# KiCad board mainboard_before_drastic.kicad_pcb (continued)
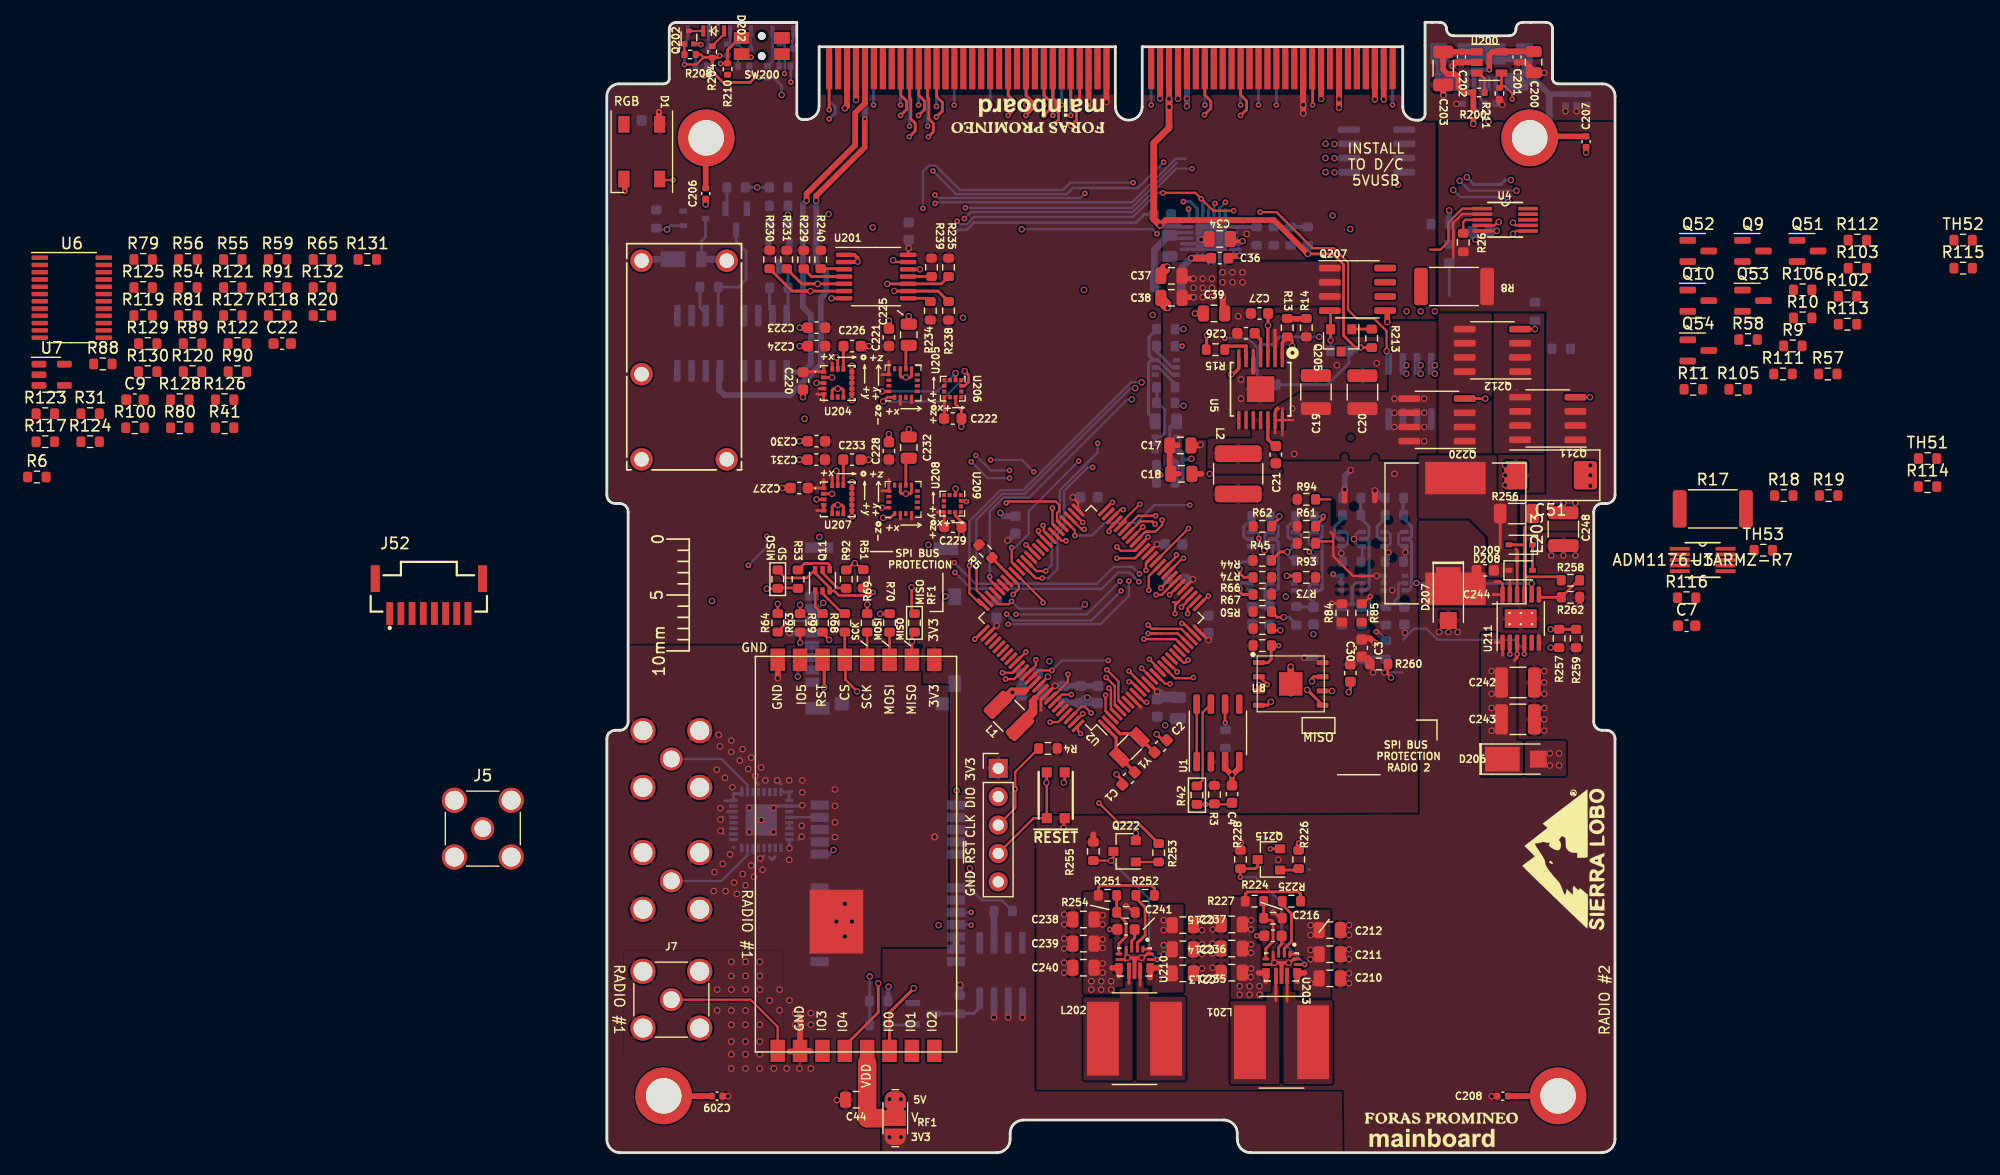
[diagram p0: board, top side]
## Library data of the parts
D1 = -: Description: RGB LED "Neopixel"; Flight: WS2812B-B; Manufacturer_Name: Worldsemi; Manufacturer_Part_Number: WS2812B-B; Proto: WS2812B-B; Field8: 1
D4 = -: Description: Schottky Diode - 30V 1A; Flight: DFLS130L-7; Manufacturer_Name: Diodes Incorporated; Manufacturer_Part_Number: DFLS130L-7
J1 = -: Description: Molex microSD Card Socket; Flight: 5031821852; Manufacturer_Name: Molex; Manufacturer_Part_Number: 5031821852; Proto: 5031821852
J2 JP6 = -: Description: Vertical Header - 0.1in (2.54mm); DNI: DNI
J5 J5#2 J6 = -: Description: Amphenol RF SMA; DNI: DNI; Flight: 901-144; Manufacturer_Name: Amphenol; Manufacturer_Part_Number: 901-144; Proto: 901-144
J7 = -: Description: Amphenol RF SMA; Flight: 901-144; Manufacturer_Name: Amphenol; Manufacturer_Part_Number: 901-144; Proto: 901-144
L2 = -: Description: 3.3uH Shielded Inductor; Flight: SPM5030T-3R3M-HZ; Manufacturer_Name: TAI-TECH; Manufacturer_Part_Number: HPC5040NF-3R3MTH; Proto: HPC5040NF-3R3MTH
L4 = -: Description: 1uH Shielded Inductor; Flight: DFE252012F-1R0M; Manufacturer_Name: Prosperity Dielectrics; Manufacturer_Part_Number: MCS25GD-1R0MMP; Proto: MCS25GD-1R0MMP
Q1 = -: Field8: REF**
Q2 = -: Description: Dual NPN BJT - 2NPN; Manufacturer_Name: ON Semiconductor; Manufacturer_Part_Number: MBT2222ADW1T1G; Proto: MBT2222ADW1T1G
Q4 Q5 = -: Description: Single N-Channel MOSFET
Q6 = -: Description: Single NPN BJT
Q8 = -: Description: Dual NPN BJT - 2NPN; Flight: MBT2222ADW1T1G; Manufacturer_Name: ON Semiconductor; Manufacturer_Part_Number: MBT2222ADW1T1G; Proto: MBT2222ADW1T1G
Q11 = -: Description: Dual PNP BJT - 2PNP; Manufacturer_Name: Diodes Incorporated; Proto: MMDT2907A
Q12 Q13 Q18 Q19 = -: Description: Dual N-Channel MOSFET - 2NMOS; Manufacturer_Name: Diodes Incorporated
Q20-Q22 = -: Description: P-Channel MOSFET
R97 R98 R101 R104 R108 R109 = -: DNI: DNI
SW1 = -: Description: Tactile Switch SPST-NO; Manufacturer_Name: C&K
U1 = -: Description: Watch-dog Timer; Manufacturer_Name: Maxim Integrated
U2 = -: MANUFACTURER: Microchip; STANDARD: IPC-7351B
U3 U4 = -: Description: Power Monitor; Manufacturer_Name: Analog Devices Inc.
U5 = -: Description: 3.3V Switching Regulator; Flight: TPS54226PWPR; Manufacturer_Name: Texas Instruments; Manufacturer_Part_Number: TPS54226PWPR; Proto: TPS54226PWPR; Field8: >Name
U8 = -: Description: Non-Volatile Memory; Manufacturer_Name: Everspin Technologies Inc.; Manufacturer_Part_Number: W25Q80DVSNIG; Proto: W25Q80DVSNIG
U13 = -: Description: RF Splitter DC-Pass; DNI: DNI; Manufacturer_Name: Mini Circuits
U14 = -: DNI: DNI; Field5: >Name
U16 = -: Description: 5A 6V SPDT General Purpose Relay; Flight: PE014006 TE; Manufacturer_Name: TE Connectivity; Manufacturer_Part_Number: PE014006 TE; Proto: TE Connectivity; Field8: REF**; Field9: *
U17 = -: Description: Battery Charger - USB Power Delivery; Manufacturer_Name: Texas Instruments
U23 = -: Description: 433 MHz 1W Radio; Manufacturer_Name: HopeRF; Field8: RADIO 2
Y1 = -: Description: 32.768kHz Crystal Oscillator; Flight: ABS07-32.768KHZ-T; Manufacturer_Name: Abracon LLC; Manufacturer_Part_Number: SC-32S32.768kHz20PPM7pF; Proto: SC-32S32.768kHz20PPM7pF

## Footprints (pads in the part's own frame, mm; a bottom-side part is the same pattern mirrored in y, then rotated)
125mil_hole
  round 5.08 hole 3.175: 1(0,0)
ADM1176-1ARMZ-R7
  rect 1.778x0.33 smd: 1(-2.045,1) 2(-2.045,0.5) 3(-2.045,0) 4(-2.045,-0.5) 5(-2.045,-1) 6(2.045,-1) 7(2.045,-0.5) 8(2.045,0) 9(2.045,0.5) 10(2.045,1)
APA2107x
  rect 1x0.37 smd: 1(0,-0.93) 2(0,0.93)
BSS138DWQ-7
  rect 0.6x0.4 smd: 1(-0.95,0.65) 2(-0.95,0) 3(-0.95,-0.65) 4(0.95,-0.65) 5(0.95,0) 6(0.95,0.65)
BTN_KMR2_4.6X2.8
  rect 0.9x0.9 smd: A(2.05,0.8) A'(-2.05,0.8) B(2.05,-0.8) B'(-2.05,-0.8)
C_0402_1005Metric
  rrect 0.56x0.62 smd: 1(-0.48,0) 2(0.48,0)
C_0603_1608Metric
  rrect 0.9x0.95 smd: 1(-0.775,0) 2(0.775,0)
C_0805_2012Metric
  rrect 1x1.45 smd: 1(-0.95,0) 2(0.95,0)
C_1206_3216Metric
  rrect 1.15x1.8 smd: 1(-1.475,0) 2(1.475,0)
C_1210_3225Metric
  rrect 1.15x2.7 smd: 1(-1.475,0) 2(1.475,0)
CP_EIA-7343-43_Kemet-X
  rrect 2.075x2.55 smd: 1(-3.112,0) 2(3.112,0)
Crystal_SMD_3215-2Pin_3.2x1.5mm
  rect 1x1.8 smd: 1(1.25,0) 2(-1.25,0)
D_SOD-323
  rect 0.6x0.45 smd: 1(-1.05,0) 2(1.05,0)
EVQP7C01P
  round 0.7 hole 0.7 unplated: (0,-1.2) (0,-3)
  rect 1.4x1.05 smd: (1.8,-1.375) (1.8,-2.825) 1(-1.8,-1.375) 2(-1.8,-2.825)
HSEC8-160-CARD-EDGE
  custom 0.55x3.8 smd far side: 1(-25.6,-2.4) 3(-24.8,-2.4) 5(-24,-2.4) 7(-23.2,-2.4) 9(-22.4,-2.4) 11(-21.6,-2.4) 13(-20.8,-2.4) 15(-20,-2.4) 17(-19.2,-2.4) 19(-18.4,-2.4) 21(-17.6,-2.4) 23(-16.8,-2.4) 25(-16,-2.4) 27(-15.2,-2.4) 29(-14.4,-2.4) 31(-13.6,-2.4) 33(-12.8,-2.4) 35(-12,-2.4) 37(-11.2,-2.4) 39(-10.4,-2.4) 41(-9.6,-2.4) 43(-8.8,-2.4) 45(-8,-2.4) 47(-7.2,-2.4) 49(-6.4,-2.4) 51(-5.6,-2.4) 53(-4.8,-2.4) 55(-4,-2.4) 57(-3.2,-2.4) 59(-2.4,-2.4) 61(-1.6,-2.4) 63(-0.8,-2.4) 65(3.2,-2.4) 67(4,-2.4) 69(4.8,-2.4) 71(5.6,-2.4) 73(6.4,-2.4) 75(7.2,-2.4) 77(8,-2.4) 79(8.8,-2.4) 81(9.6,-2.4) 83(10.4,-2.4) 85(11.2,-2.4) 87(12,-2.4) 89(12.8,-2.4) 91(13.6,-2.4) 93(14.4,-2.4) 95(15.2,-2.4) 97(16,-2.4) 99(16.8,-2.4) 101(17.6,-2.4) 103(18.4,-2.4) 105(19.2,-2.4) 107(20,-2.4) 109(20.8,-2.4) 111(21.6,-2.4) 113(22.4,-2.4) 115(23.2,-2.4) 117(24,-2.4) 119(24.8,-2.4)
  custom 0.55x3.8 smd: 2(-25.6,-2.4) 4(-24.8,-2.4) 6(-24,-2.4) 8(-23.2,-2.4) 10(-22.4,-2.4) 12(-21.6,-2.4) 14(-20.8,-2.4) 16(-20,-2.4) 18(-19.2,-2.4) 20(-18.4,-2.4) 22(-17.6,-2.4) 24(-16.8,-2.4) 26(-16,-2.4) 28(-15.2,-2.4) 30(-14.4,-2.4) 32(-13.6,-2.4) 34(-12.8,-2.4) 36(-12,-2.4) 38(-11.2,-2.4) 40(-10.4,-2.4) 42(-9.6,-2.4) 44(-8.8,-2.4) 46(-8,-2.4) 48(-7.2,-2.4) 50(-6.4,-2.4) 52(-5.6,-2.4) 54(-4.8,-2.4) 56(-4,-2.4) 58(-3.2,-2.4) 60(-2.4,-2.4) 62(-1.6,-2.4) 64(-0.8,-2.4) 66(3.2,-2.4) 68(4,-2.4) 70(4.8,-2.4) 72(5.6,-2.4) 74(6.4,-2.4) 76(7.2,-2.4) 78(8,-2.4) 80(8.8,-2.4) 82(9.6,-2.4) 84(10.4,-2.4) 86(11.2,-2.4) 88(12,-2.4) 90(12.8,-2.4) 92(13.6,-2.4) 94(14.4,-2.4) 96(15.2,-2.4) 98(16,-2.4) 100(16.8,-2.4) 102(17.6,-2.4) 104(18.4,-2.4) 106(19.2,-2.4) 108(20,-2.4) 110(20.8,-2.4) 112(21.6,-2.4) 114(22.4,-2.4) 116(23.2,-2.4) 118(24,-2.4) 120(24.8,-2.4)
IAM-20380
  rrect 0.49x0.35 smd: 1(-1.26,1) 2(-1.26,0.5) 3(-1.26,0) 4(-1.26,-0.5) 5(-1.26,-1) 9(1.26,-1) 10(1.26,-0.5) 11(1.26,0) 12(1.26,0.5) 13(1.26,1)
  rrect 0.35x0.49 smd: 6(-0.5,-1.26) 7(0,-1.26) 8(0.5,-1.26) 14(0.5,1.26) 15(0,1.26) 16(-0.5,1.26)
L_1210_3225Metric
  rrect 1.25x2.65 smd: 1(-1.4,0) 2(1.4,0)
L_2141
  rrect 1.5x4.2 smd: 1(-1.8,0) 2(1.8,0)
L_2510
  rrect 0.8x2 smd: 1(-1.2,0) 2(1.2,0)
L_Bourns_SRN8040TA
  rect 2.85x6.6 smd: 1(-2.825,0) 2(2.825,0)
L_Wuerth_WE-PD-Typ-LS
  rect 2.9x5.4 smd: 1(-4.95,0) 2(4.95,0)
LED_WS2812B_PLCC4_5.0x5.0mm_P3.2mm
  rect 1.5x1 smd: 1(-2.45,1.6) 2(-2.45,-1.6) 3(2.45,-1.6) 4(2.45,1.6)
MMC5983MA
  rect 0.45x0.3 smd: 1(-1.275,0.75) 2(-1.275,0.25) 3(-1.275,-0.25) 4(-1.275,-0.75) 9(1.275,-0.75) 10(1.275,-0.25) 11(1.275,0.25) 12(1.275,0.75)
  rect 0.3x0.45 smd: 5(-0.75,-1.275) 6(-0.25,-1.275) 7(0.25,-1.275) 8(0.75,-1.275) 13(0.75,1.275) 14(0.25,1.275) 15(-0.25,1.275) 16(-0.75,1.275)
MOLEX_503182-1852
  rect 0.8x1.24 smd: 1(-2.9,6.355) 2(-1.8,6.355) 3(-0.7,6.355) 4(0.4,6.355) 5(1.5,6.355) 6(2.6,6.355) 7(3.7,6.355) 8(4.8,6.355)
  rect 1.16x1.2 smd: DT(6.74,-5.275)
  rect 0.95x2.5 smd: P1(-7.245,5.725)
  rect 1.15x2.2 smd: P2(7.145,5.875) P3(-7.145,-5.605)
  rect 1.5x1.15 smd: P4(-2.84,-6.4) P5(4.94,-6.4)
  rect 1.16x1.25 smd: SW(6.74,3.725)
MSOP-12-1EP_3x4mm_P0.65mm_EP1.65x2.85mm_ThermalVias
  rrect 0.69x1.19 smd: (-0.41,0.71) (-0.41,-0.71) (0.41,0.71) (0.41,-0.71)
  rrect 1.45x0.4 smd: 1(-2.15,1.625) 2(-2.15,0.975) 3(-2.15,0.325) 4(-2.15,-0.325) 5(-2.15,-0.975) 6(-2.15,-1.625) 7(2.15,-1.625) 8(2.15,-0.975) 9(2.15,-0.325) 10(2.15,0.325) 11(2.15,0.975) 12(2.15,1.625)
  round 0.5 hole 0.2: 13(-0.5,1) 13(-0.5,0) 13(-0.5,-1) 13(0.5,1) 13(0.5,0) 13(0.5,-1)
  rect 1.5x2.5 smd far side: 13(0,0)
  rect 1.65x2.85 smd: 13(0,0)
MXC6655XA
  rect 0.375x0.35 smd: 1(-0.762,0.75) 2(-0.762,0.25) 3(-0.762,-0.25) 4(-0.762,-0.75) 7(0.762,-0.75) 8(0.762,-0.25) 9(0.762,0.25) 10(0.762,0.75)
  rect 0.35x0.375 smd: 5(-0.25,-0.762) 6(0.25,-0.762) 11(0.25,0.762) 12(-0.25,0.762)
PinHeader_1x05_P2.54mm_Vertical
  rect 1.7x1.7 hole 1: 1(0,0)
  oval 1.7x1.7 hole 1: 2(0,-2.54) 3(0,-5.08) 4(0,-7.62) 5(0,-10.16)
PWP14_2P31X2P46-L
  rect 1.6x0.305 smd: 1(-2.769,1.95) 2(-2.769,1.3) 3(-2.769,0.65) 4(-2.769,0) 5(-2.769,-0.65) 6(-2.769,-1.3) 7(-2.769,-1.95) 8(2.769,-1.95) 9(2.769,-1.3) 10(2.769,-0.65) 11(2.769,0) 12(2.769,0.65) 13(2.769,1.3) 14(2.769,1.95)
  rect 2.31x2.46 smd: 15(0,0)
PWRDI-123
  rect 0.9x1.4 smd: A(1.45,0)
  rect 2.2x1.4 smd: C(-1.1,0)
QFN32-5X5MM
  rect 0.762x0.305 smd: 1(-2.5,1.75) 2(-2.5,1.25) 3(-2.5,0.75) 4(-2.5,0.25) 5(-2.5,-0.25) 6(-2.5,-0.75) 7(-2.5,-1.25) 8(-2.5,-1.75) 17(2.5,-1.75) 18(2.5,-1.25) 19(2.5,-0.75) 20(2.5,-0.25) 21(2.5,0.25) 22(2.5,0.75) 23(2.5,1.25) 24(2.5,1.75)
  rect 0.305x0.762 smd: 9(-1.75,-2.5) 10(-1.25,-2.5) 11(-0.75,-2.5) 12(-0.25,-2.5) 13(0.25,-2.5) 14(0.75,-2.5) 15(1.25,-2.5) 16(1.75,-2.5) 25(1.75,2.5) 26(1.25,2.5) 27(0.75,2.5) 28(0.25,2.5) 29(-0.25,2.5) 30(-0.75,2.5) 31(-1.25,2.5) 32(-1.75,2.5)
  rect 2.794x2.794 smd: EP(0,0)
QFN50P400X400X100-25N-D
  rect 0.8x0.3 smd: 1(-2,1.25) 2(-2,0.75) 3(-2,0.25) 4(-2,-0.25) 5(-2,-0.75) 6(-2,-1.25) 13(2,-1.25) 14(2,-0.75) 15(2,-0.25) 16(2,0.25) 17(2,0.75) 18(2,1.25)
  rect 0.3x0.8 smd: 7(-1.25,-2) 8(-0.75,-2) 9(-0.25,-2) 10(0.25,-2) 11(0.75,-2) 12(1.25,-2) 19(1.25,2) 20(0.75,2) 21(0.25,2) 22(-0.25,2) 23(-0.75,2) 24(-1.25,2)
  rect 2.8x2.8 smd: 25(0,0)
R_0402_1005Metric
  rrect 0.54x0.64 smd: 1(-0.51,0) 2(0.51,0)
R_0603_1608Metric
  rrect 0.8x0.95 smd: 1(-0.825,0) 2(0.825,0)
R_1206_3216Metric
  rrect 1.125x1.75 smd: 1(-1.462,0) 2(1.462,0)
R_2512_6332Metric
  rrect 1.225x3.35 smd: 1(-2.962,0) 2(2.962,0)
RELAY_PE014006
  round 2.007 hole 1.295: 1(-7.62,17.196) 5(0,17.196) 11(-7.62,7.036) 12(0,-0.584) 14(-7.62,-0.584)
RFM95PW
  rect 2x1.3 smd: 1(17.6,-7.5) 2(17.6,-5.5) 3(17.6,-3.5) 4(17.6,-1.5) 5(17.6,0.5) 6(17.6,2.5) 7(17.6,4.5) 8(17.6,6.5) 9(-17.4,6.5) 10(-17.4,4.5) 11(-17.4,2.5) 12(-17.4,0.5) 13(-17.4,-1.5) 14(-17.4,-3.5) 15(-17.4,-5.5) 16(-17.4,-7.5)
  rect 5.7x4.8 smd: 17(6.032,-2.25)
S1216_24PIN_PACKAGE
  rect 1.626x0.813 smd: 1(5.85,-7.62) 2(5.85,-6.52) 3(5.85,-5.42) 4(5.85,-4.32) 5(5.85,-3.22) 6(5.85,-2.12) 7(5.85,-1.02) 8(5.85,1.98) 9(5.85,3.08) 10(5.85,4.18) 11(5.85,5.28) 12(5.85,6.38) 13(-6.35,6.38) 14(-6.35,5.28) 15(-6.35,4.18) 16(-6.35,3.08) 17(-6.35,1.98) 18(-6.35,-1.02) 19(-6.35,-2.12) 20(-6.35,-3.22) 21(-6.35,-4.32) 22(-6.35,-5.42) 23(-6.35,-6.52) 24(-6.35,-7.62)
SAMTEC_T1M-08-F-SV-L
  rect 0.6x2.045 smd: 1(-3.5,-2.397) 2(-2.5,-2.397) 3(-1.5,-2.397) 4(-0.5,-2.397) 5(0.5,-2.397) 6(1.5,-2.397) 7(2.5,-2.397)
  rect 0.61x2.045 smd: 8(3.505,-2.397)
  rect 0.8x2.389 smd: S1(-4.8,0.72) S2(4.8,0.72)
SMA_Amphenol_901-144_Vertical
  round 2.05 hole 1.5: 1(0,0)
  round 2.25 hole 1.7: 2(-2.54,2.54) 2(-2.54,-2.54) 2(2.54,2.54) 2(2.54,-2.54)
SMPA
  rect 3.1x2.2 smd: 1(-1.21,0)
  rect 1.5x1.52 smd: 2(2.01,0)
SO-8_3.9x4.9mm_P1.27mm
  rrect 1.75x0.6 smd: 1(-2.575,1.905) 2(-2.575,0.635) 3(-2.575,-0.635) 4(-2.575,-1.905) 5(2.575,-1.905) 6(2.575,-0.635) 7(2.575,0.635) 8(2.575,1.905)
SOIC-8_3.9x4.9mm_P1.27mm
  rrect 1.95x0.6 smd: 1(-2.475,1.905) 2(-2.475,0.635) 3(-2.475,-0.635) 4(-2.475,-1.905) 5(2.475,-1.905) 6(2.475,-0.635) 7(2.475,0.635) 8(2.475,1.905)
SolderJumper-3_P1.3mm_Bridged12_RoundedPad1.0x1.5mm
  custom 1.45x1.9 smd: 1(-1.7,0) 3(1.7,0)
  rect 1.4x1.9 smd: 2(0,0)
SON127P600X500X90-9N
  rect 1.05x0.45 smd: 1(-2.85,1.905) 2(-2.85,0.635) 3(-2.85,-0.635) 4(-2.85,-1.905) 5(2.85,-1.905) 6(2.85,-0.635) 7(2.85,0.635) 8(2.85,1.905)
  rect 2.1x2.1 smd: 9(0,0)
SOT-23
  rect 0.9x0.8 smd: 1(-1,0.95) 2(-1,-0.95) 3(1,0)
SOT-23#2
  rrect 1.475x0.6 smd: 1(-0.938,0.95) 2(-0.938,-0.95) 3(0.938,0)
SOT-23#3
  rect 0.559x1.321 smd: 1(-0.953,-1.003) 2(0.953,-1.003) 3(0,0.876)
SOT-23-5
  rect 1.06x0.65 smd: 1(-1.1,0.95) 2(-1.1,0) 3(-1.1,-0.95) 4(1.1,-0.95) 5(1.1,0.95)
SOT-23-5#2
  rrect 1.325x0.6 smd: 1(-1.137,0.95) 2(-1.137,0) 3(-1.137,-0.95) 4(1.137,-0.95) 5(1.137,0.95)
SOT-323_SC-70
  rect 0.7x0.45 smd: 1(-1,0.65) 2(-1,-0.65) 3(1,0)
SOT-363_SC-70-6
  rect 0.65x0.4 smd: 1(-0.95,0.65) 2(-0.95,0) 3(-0.95,-0.65) 4(0.95,-0.65) 5(0.95,0) 6(0.95,0.65)
SOT-723
  rect 0.45x0.4 smd: 1(-0.575,0.4) 2(-0.575,-0.4)
  rect 0.45x0.5 smd: 3(0.575,0)
TPS63070RNMR
  rrect 0.6x0.25 smd: 1(-1.15,0.75) 2(-1.15,0.25) 3(-1.15,-0.25) 4(-1.15,-0.75)
  rrect 0.25x0.6 smd: 5(-0.725,-1.4) 6(-0.225,-1.4) 14(-0.225,1.4) 15(-0.725,1.4)
  rrect 0.85x0.7 smd: 7(0.525,-1.4) 12(0.525,1.4)
  rrect 1.45x0.35 smd: 9(0.775,-0.5) 11(0.775,0.5)
  rrect 1.8x0.35 smd: 10(0.6,0)
TQFP-100_14x14mm_P0.5mm
  rrect 1.475x0.3 smd: 1(-7.662,6) 2(-7.662,5.5) 3(-7.662,5) 4(-7.662,4.5) 5(-7.662,4) 6(-7.662,3.5) 7(-7.662,3) 8(-7.662,2.5) 9(-7.662,2) 10(-7.662,1.5) 11(-7.662,1) 12(-7.662,0.5) 13(-7.662,0) 14(-7.662,-0.5) 15(-7.662,-1) 16(-7.662,-1.5) 17(-7.662,-2) 18(-7.662,-2.5) 19(-7.662,-3) 20(-7.662,-3.5) 21(-7.662,-4) 22(-7.662,-4.5) 23(-7.662,-5) 24(-7.662,-5.5) 25(-7.662,-6) 51(7.662,-6) 52(7.662,-5.5) 53(7.662,-5) 54(7.662,-4.5) 55(7.662,-4) 56(7.662,-3.5) 57(7.662,-3) 58(7.662,-2.5) 59(7.662,-2) 60(7.662,-1.5) 61(7.662,-1) 62(7.662,-0.5) 63(7.662,0) 64(7.662,0.5) 65(7.662,1) 66(7.662,1.5) 67(7.662,2) 68(7.662,2.5) 69(7.662,3) 70(7.662,3.5) 71(7.662,4) 72(7.662,4.5) 73(7.662,5) 74(7.662,5.5) 75(7.662,6)
  rrect 0.3x1.475 smd: 26(-6,-7.662) 27(-5.5,-7.662) 28(-5,-7.662) 29(-4.5,-7.662) 30(-4,-7.662) 31(-3.5,-7.662) 32(-3,-7.662) 33(-2.5,-7.662) 34(-2,-7.662) 35(-1.5,-7.662) 36(-1,-7.662) 37(-0.5,-7.662) 38(0,-7.662) 39(0.5,-7.662) 40(1,-7.662) 41(1.5,-7.662) 42(2,-7.662) 43(2.5,-7.662) 44(3,-7.662) 45(3.5,-7.662) 46(4,-7.662) 47(4.5,-7.662) 48(5,-7.662) 49(5.5,-7.662) 50(6,-7.662) 76(6,7.662) 77(5.5,7.662) 78(5,7.662) 79(4.5,7.662) 80(4,7.662) 81(3.5,7.662) 82(3,7.662) 83(2.5,7.662) 84(2,7.662) 85(1.5,7.662) 86(1,7.662) 87(0.5,7.662) 88(0,7.662) 89(-0.5,7.662) 90(-1,7.662) 91(-1.5,7.662) 92(-2,7.662) 93(-2.5,7.662) 94(-3,7.662) 95(-3.5,7.662) 96(-4,7.662) 97(-4.5,7.662) 98(-5,7.662) 99(-5.5,7.662) 100(-6,7.662)
TSSOP-14_4.4x5mm_P0.65mm
  rrect 1.475x0.4 smd: 1(-2.862,1.95) 2(-2.862,1.3) 3(-2.862,0.65) 4(-2.862,0) 5(-2.862,-0.65) 6(-2.862,-1.3) 7(-2.862,-1.95) 8(2.862,-1.95) 9(2.862,-1.3) 10(2.862,-0.65) 11(2.862,0) 12(2.862,0.65) 13(2.862,1.3) 14(2.862,1.95)
TSSOP-24_4.4x7.8mm_P0.65mm
  rrect 1.475x0.4 smd: 1(-2.862,3.575) 2(-2.862,2.925) 3(-2.862,2.275) 4(-2.862,1.625) 5(-2.862,0.975) 6(-2.862,0.325) 7(-2.862,-0.325) 8(-2.862,-0.975) 9(-2.862,-1.625) 10(-2.862,-2.275) 11(-2.862,-2.925) 12(-2.862,-3.575) 13(2.862,-3.575) 14(2.862,-2.925) 15(2.862,-2.275) 16(2.862,-1.625) 17(2.862,-0.975) 18(2.862,-0.325) 19(2.862,0.325) 20(2.862,0.975) 21(2.862,1.625) 22(2.862,2.275) 23(2.862,2.925) 24(2.862,3.575)
ZX62-AB-5PA(31)
  rrect 0.406x1.346 smd: 1(-1.325,5.467)
  rect 0.406x1.346 smd: 2(-0.675,5.467) 3(-0.025,5.467) 4(0.625,5.467) 5(1.275,5.467)
  rect 1.5x1.905 smd: 6(-3.826,2.8) 6(3.826,2.8)
  rect 2.108x1.6 smd: 6(-3.124,5.3) 6(3.124,5.3)
  rect 1.905x1.905 smd: 6(-1.2,2.8) 6(1.2,2.8)

## Nets
3.3V: C5.1 C9.1 C10.1 C11.1 C13.1 C15.1 C16.1 C17.2 C18.2 C22.1 C30.1 C44.2 C217.1 C218.1 C219.1 C220.1 C221.1 C222.1 C223.1 C224.1 C227.1 C228.1 C229.1 C230.1 C231.1 C234.1 C251.1 C252.1 C253.1 D1.1 J1.4 J2.1 JP6.3 L2.2 P1.58 P1.63 P1.64 Q22.1 Q22.2 Q22.3 R3.1 R4.1 R5.1 R6.1 R13.2 R19.1 R20.1 R23.1 R44.1 R45.1 R50.2 R51.2 R61.1 R62.1 R66.1 R67.1 R73.1 R74.1 R82.1 R83.1 R84.1 R85.1 R93.1 R94.1 R114.1 R115.1 R116.1 R119.1 R121.1 R125.1 R127.1 R229.1 R230.1 R231.1 R234.1 R235.1 R238.1 R239.1 R240.1 R260.1 U1.2 U2.8 U2.12 U2.25 U2.30 U2.39 U2.51 U2.63 U2.77 U2.92 U5.1 U6.24 U7.5 U8.8 U23.5 U23.9 U201.14 U204.1 U204.4 U204.5 U204.16 U205.2 U205.4 U205.13 U206.7 U207.1 U207.4 U207.5 U207.16 U208.2 U208.4 U208.13 U209.7
5V_USB: C33.2 C202.1 C203.1 P1.70 Q51.3 R34.1 R57.2 R200.1 R202.1 R203.1 R204.1 R205.1 R208.2 R213.2 R214.1 U17.23 U200.1
/adc_mux/3.3V_adc: R20.2 R31.1 U6.9
/adc_mux/Vcc_PYLD_adc: R41.2 R54.1 U6.8
/adc_mux/Vcc_RF_adc: R55.2 R56.1 U6.7
/Power/3V3_EN: Q2.6 R29.2 U5.7
GND: C1.2 C2.2 C3.2 C4.1 C5.2 C7.1 C8.2 C9.2 C10.2 C11.2 C12.1 C13.2 C14.2 C15.2 C16.2 C17.1 C18.1 C19.2 C20.2 C22.2 C26.2 C27.2 C30.2 C32.1 C40.2 C41.2 C42.2 C44.1 C51.2 C206.1 C207.1 C208.1 C209.1 C210.2 C211.2 C212.2 C213.2 C214.2 C215.2 C216.1 C217.2 C218.2 C219.2 C220.2 C221.2 C222.2 C223.2 C224.2 C225.2 C226.2 C227.2 C228.2 C229.2 C230.2 C231.2 C232.2 C233.2 C234.2 C235.2 C236.2 C237.2 C238.2 C239.2 C240.2 C241.1 C242.2 C243.2 C245.2 C246.2 C247.2 C248.2 C251.2 C252.2 C253.2 D1.3 D207.2 J1.6 J1.P1 J1.P2 J1.P3 J1.P4 J1.P5 J2.5 J5.2 J5#2.2 J6.2 J7.2 J52.2 J52.4 J52.6 J52.8 P1.5 P1.6 P1.67 P1.68 P1.71 P1.72 P1.103 P1.104 P1.115 P1.116 Q1.2 Q2.1 Q2.4 Q3.1 Q3.4 Q4.2 Q5.2 Q6.2 Q12.1 Q12.4 Q13.1 Q13.4 Q18.1 Q18.4 Q19.1 Q19.4 Q200.2 Q201.2 Q202.2 Q203.2 Q208.5 Q208.6 Q208.7 Q208.8 R2.1 R7.2 R14.1 R21.2 R25.2 R27.2 R28.2 R31.2 R54.2 R56.2 R65.2 R118.2 R124.2 R130.2 R132.2 R227.2 R228.2 R254.2 R255.2 R259.2 R262.2 SW1.B SW1.B' SW200.2 TH51.2 TH52.2 TH53.2 U1.3 U1.4 U2.11 U2.24 U2.31 U2.38 U2.50 U2.62 U2.76 U2.90 U3.4 U3.8 U4.4 U5.5 U5.8 U5.9 U5.15 U6.12 U7.2 U8.4 U8.9 U13.1 U13.2 U13.3 U13.5 U13.6 U13.7 U13.8 U13.9 U13.10 U13.11 U13.12 U13.13 U13.14 U13.16 U13.17 U13.18 U13.19 U13.20 U13.21 U13.22 U13.23 U13.24 U13.25 U13.27 U13.28 U13.29 U13.30 U13.31 U13.32 U13.EP U14.10 U14.12 U14.13 U14.24 U16.12 U23.2 U23.16 U23.17 U201.1 U201.2 U201.7 U203.4 U203.6 U203.10 U203.15 U204.6 U204.8 U204.9 U204.10 U204.11 U204.12 U204.13 U204.15 U205.9 U205.11 U206.9 U207.6 U207.8 U207.9 U207.10 U207.11 U207.12 U207.13 U207.15 U208.9 U208.11 U209.9 U210.4 U210.6 U210.10 U210.15 U211.6 U211.13
GNDREF: C200.2 C201.2 C202.2 C203.2 C204.2 C205.2 J200.5 R201.2 R211.2 U200.2 Z200.2 Z201.2
VBATT: P1.99 P1.100 R1.1 R18.1 R206.2 U3.2
VBATT_RET: C33.1 C34.2 C35.1 C37.1 C38.1 C39.1 P1.107 P1.108 P1.109 P1.110 P1.111 P1.112 Q10.3 Q53.3 Q205.2 Q208.1 Q208.2 Q208.3 R11.2 R35.1 R36.1 R46.1 R103.2 R214.2 U17.19 U17.20 U17.25
VBUS: C19.1 C20.1 C210.1 C211.1 C212.1 C235.1 C236.1 C237.1 D4.C Q213.5 Q213.6 Q213.7 Q213.8 Q215.2 Q220.5 Q220.6 Q220.7 Q220.8 Q222.2 R29.1 R30.1 R47.1 R49.1 U5.13 U5.14 U16.1 U16.14 U203.1 U203.12 U210.1 U210.12
VBUS_INHIBIT: Q9.2 Q52.2 Q54.2 Q211.1 Q211.2 Q211.3 R8.1 R26.1 R221.1 U4.2
VBUS_RESET: R52.2 U2.54
VBUS_USB: C37.2 C38.2 Q213.1 Q213.2 Q213.3 R219.1 U17.15 U17.16
VCC_MHX: C213.1 C214.1 C215.1 JP6.1 P1.73 R55.1 R224.1 R225.1 U203.7
VCC_PAYLOAD: C238.1 C239.1 C240.1 P1.59 P1.60 R41.1 R120.1 R122.1 R126.1 R128.1 R251.1 R252.1 U210.7
VCC_RF1: JP6.2
/adc_mux/mux_out: R90.1 U6.1
/adc_mux/NTC1: J52.1 R127.2 U6.23
/adc_mux/NTC2: J52.3 R125.2 U6.22
/adc_mux/NTC3: J52.5 R121.2 U6.21
/adc_mux/NTC4: J52.7 R119.2 U6.20
/adc_mux/slr_temp_1: R117.2 R118.1 U6.19
/adc_mux/slr_temp_2: R123.2 R124.1 U6.18
/adc_mux/slr_temp_3: R129.2 R130.1 U6.17
/adc_mux/slr_temp_4: R131.2 R132.1 U6.16
/adc_mux/VSOLAR_adc: R59.2 R65.1 U6.6
/Avionics/BATTERY: C3.1 R1.2 R2.2 U2.19
/Avionics/XTAL1: C1.1 U2.1 Y1.1
/Avionics/XTAL2: C2.1 U2.2 Y1.2
/Burn Wires/VBURN_A_IN: Q20.1 Q20.2 Q20.3 Q21.1 Q21.2 Q21.3 R37.2 R38.2 U16.11
/IMU/SCL_IMU1: R230.2 U201.6 U204.2 U205.1 U206.12
/IMU/SCL_IMU2: R235.2 U201.10 U207.2 U208.1 U209.12
/IMU/SDA_IMU1: R231.2 U201.5 U204.3 U205.16 U206.2
/IMU/SDA_IMU2: R238.2 U201.9 U207.3 U208.16 U209.2
/RF and GPS/RF_IN: J5.1 U13.4 U14.11
/SLI_Card/Blank-Card-Default/SW_VCC: R210.1
/SLI_Card/Blank-Card-Default/YEL_LED: R207.2
/SLI_Card/Blank-Card-Default/~{USB_EN}: R9.2 R211.1 U200.4
/SLI_Card/CHS: C204.1 C205.1 C206.2 C207.2 C208.2 C209.2 H200.1 H201.1 H202.1 H203.1 J200.6 R201.1
/SLI_Card/H1-3: P1.13
/SLI_Card/H1-4: P1.14
/SLI_Card/H1-12: P1.30
/SLI_Card/H1-13: P1.33
/SLI_Card/H1-14: P1.34
/SLI_Card/H1-16: P1.38
/SLI_Card/H1-24: P1.54
/SLI_Card/H1-25: P1.57
/SLI_Card/H1-27: P1.61
/SLI_Card/H1-28: P1.62
/SLI_Card/H1-30: P1.66
/SLI_Card/H1-31: P1.69
/SLI_Card/H1-34: P1.74
/SLI_Card/H1-37: P1.81
/SLI_Card/H1-38: P1.82
/SLI_Card/H1-42: P1.90
/SLI_Card/H1-44: P1.94
/SLI_Card/H1-45: P1.97
/SLI_Card/H1-46: P1.98
/SLI_Card/H1-50: P1.106
/SLI_Card/H2-2: P1.12
/SLI_Card/H2-3: P1.15
/SLI_Card/H2-4: P1.16
/SLI_Card/H2-9: P1.27
/SLI_Card/H2-10: P1.28
/SLI_Card/H2-11: P1.31
/SLI_Card/H2-12: P1.32
/SLI_Card/H2-13: P1.35
/SLI_Card/H2-14: P1.36
/SLI_Card/H2-15: P1.39
/SLI_Card/H2-16: P1.40
/SLI_Card/H2-17: P1.43
/SLI_Card/H2-18: P1.44
/SLI_Card/H2-19: P1.47
/SLI_Card/H2-20: P1.48
/SLI_Card/H2-33: P1.75
/SLI_Card/H2-34: P1.76
/SLI_Card/H2-35: P1.79
/SLI_Card/H2-36: P1.80
/SLI_Card/H2-37: P1.83
/SLI_Card/H2-38: P1.84
/SLI_Card/H2-39: P1.87
/SLI_Card/H2-40: P1.88
/SLI_Card/H2-41: P1.91
/SLI_Card/H2-42: P1.92
/SLI_Card/H2-43: P1.95
/SLI_Card/H2-44: P1.96
/SLI_Card/Payload_Regulator/EN: Q222.3 R255.1 U210.14
/SLI_Card/RBF: P1.37 R102.2 R105.2 R249.2
/SLI_Card/RF_Regulator/EN: Q215.3 R228.1 U203.14
/SLI_Card/SEP1: P1.1 R10.2
/SLI_Card/SEP2: P1.2 R111.1
/SLI_Card/SEP3: P1.119 R112.1 R221.2
/SLI_Card/SEP4: P1.120 R106.2 R218.2
/SLI_Card/Sep_Sw_Vcc: R249.1
/SLI_Card/USER_2: P1.105
/SLI_Card/~{USB_FLAG}: R200.2 U200.3
AIN4: P1.23 U2.5
AIN5: R100.2 U2.18
AIN7: U2.20
AIN10: P1.19 U2.3
AIN11: P1.20 U2.4
BATT_NTC: P1.11 U6.5 U211.8
BP_LED_LATCH: U2.37
BURN_RELAY_A: Q6.1 R25.1 U2.84
CTS_MCU_3: P1.78 U2.45
CTS_MCU_4: P1.25 U2.59
DAC0: U2.7
EN_PAYLOAD: R253.2 U2.67
EN_RF: R226.2 U2.17
ENAB_BURN1: R27.1 R32.2 U2.85
ENAB_BURN2: R28.1 R33.2 U2.86
ENAB_GPS: R21.1 R22.1 U2.98
FLASH_CS: R50.1 U2.33 U8.1
FLASH_IO2: U2.28 U8.3
FLASH_IO3: U2.29 U8.7
FLASH_MISO: U2.27 U8.2
FLASH_MOSI: U2.26 U8.5
FLASH_SCK: U2.32 U8.6
GPS_PWR_IN: Q22.5 Q22.6 Q22.7 Q22.8 R24.2 U14.22 U14.23
MISO: P1.50 Q11.3 Q11.6 R101.2 R104.2 U2.48
MISO_RF1: R99.2 R101.1 U23.10
MISO_SD: J1.7 R53.2 R104.1
MOSI: P1.53 R64.2 R70.1 U2.46
MOSI_RF1: R70.2 U23.11
MOSI_SD: J1.3 R64.1
MUX_S0: R79.1 U2.72
MUX_S1: R80.1 U2.80
MUX_S2: R81.1 U2.81
MUX_S3: R88.1 U2.95
NeoPixel_Out: D1.2 P1.102
PA19: P1.22 U2.55
PA20: U2.70
PB16: P1.55 U2.64
PB17: P1.52 U2.65
PB18: P1.51 U2.66
PC03: P1.24 U2.6
PC05: P1.17 U2.21
PC06: P1.18 U2.22
PC07: P1.21 U2.23
PC10: P1.29 U2.40
PC11: P1.56 U2.41
RF1_ANT: J7.1 U23.1
RF1_CS: R5.2 R68.2 U2.68 U23.13
RF1_IO0: U2.10 U23.6
RF1_IO4: U2.9 U23.4
RF1_RST: U2.97 U23.14
RF2_CS: U2.16
RF2_IO0: U2.13
RF2_IO4: U2.14
RF2_RST: U2.36
RTS_MCU_3: P1.77 U2.44
RTS_MCU_4: P1.26 U2.58
RX_MCU: U2.100 U14.20
RX_MCU_2: P1.45 U2.52
RX_MCU_3: P1.85 U2.42
RX_MCU_4: P1.41 U2.56
SCK: P1.49 R63.2 R69.2 U2.47
SCK_RF1: R69.1 U23.12
SCK_SD: J1.5 R63.1
SCL: P1.89 Q7.1 Q7.3 Q15.1 Q15.3 R45.2 R97.2 R108.2 U2.35
SCL_IMU: Q7.4 Q7.6 R66.2 R75.1 R97.1 U201.12
SCL_PWR: Q15.4 Q15.6 R84.2 R95.1 R108.1 U3.6 U4.6 U17.5
SD_CS: J1.2 R51.1 R92.2 U2.87
SDA: P1.93 Q8.1 Q8.3 Q16.1 Q16.3 R44.2 R98.2 R109.2 U2.34
SDA_IMU: Q8.4 Q8.6 R67.2 R76.1 R98.1 U201.13
SDA_PWR: Q16.4 Q16.6 R85.2 R96.1 R109.1 U3.7 U4.7 U17.4
SLR_CHRG_NTC: R116.2 TH53.1 U6.4
SLR_TLE_1: P1.113 R117.1 R120.2 R123.1 R129.1 R131.1
SLR_TLE_2: P1.114 R122.2
SLR_TLE_3: P1.4 R126.2
SLR_TLE_4: P1.3 R128.2
STAT: C34.1 R209.2 U17.2 U17.11
SWCLK: J2.3 R4.2 U2.93
SWDIO: J2.2 U2.94
THM: R34.2 R35.2 R46.2 U17.7
TX_MCU: U2.99 U14.21
TX_MCU_2: P1.46 U2.53
TX_MCU_3: P1.86 U2.43
TX_MCU_4: P1.42 U2.57
USB_D+: J200.3 U2.75 U17.24 Z200.1
USB_D-: J200.2 U2.74 U17.1 Z201.1
VBURN1: P1.9 Q20.5 Q20.6 Q20.7 Q20.8
VBURN2: P1.10 Q21.5 Q21.6 Q21.7 Q21.8
VCHRG: C51.1 C245.1 C248.1 D209.2 Q207.5 Q207.6 Q207.7 Q207.8 R8.2 R256.1 R258.1 U3.1 U4.1 U211.9
VCHRG_USB: C39.2 Q207.1 Q207.2 Q207.3 R216.1 U17.13 U17.14
VPYLD_NTC: R114.2 TH51.1 U6.3
VRF_NTC: R115.2 TH52.1 U6.2
VSOLAR: D206.2 P1.7 P1.8 P1.117 P1.118 R59.1
WDT_WDI: R7.1 U1.6 U2.73
~{CHRG_SHDN}: R19.2 U2.69 U211.3
~{CHRG}: R260.2 U2.15 U211.4
~{MUX_EN}: R89.1 U2.96
~{RESET}: C4.2 J2.4 P1.65 R3.2 R42.1 R210.2 SW1.A SW1.A' SW200.1 U2.88
~{SELF_TEST}: P1.101 R6.2 U2.78
~{USB_EN}: R9.1 U2.79
Net-(C6-Pad1): C6.1 Q3.3 Q3.6 R49.2
Net-(C6-Pad2): C6.2 Q2.5 R47.2
Net-(C7-Pad2): C7.2 U3.5
Net-(C8-Pad1): C8.1 Q12.5 R75.2
Net-(C12-Pad2): C12.2 C14.1 L1.2 U2.89
Net-(C21-Pad1): C21.1 L2.1 U5.10 U5.11
Net-(C21-Pad2): C21.2 U5.12
Net-(C26-Pad1): C26.1 U5.4
Net-(C27-Pad1): C27.1 R15.2 U5.3
Net-(C32-Pad2): C32.2 U4.5
Net-(C35-Pad2): C35.2 L4.1 U17.21 U17.22
Net-(C36-Pad1): C36.1 L4.2 U17.17 U17.18
Net-(C36-Pad2): C36.2 U17.12
Net-(C40-Pad1): C40.1 Q13.5 R76.2
Net-(C41-Pad1): C41.1 Q18.5 R95.2
Net-(C42-Pad1): C42.1 Q19.5 R96.2
Net-(C200-Pad1): C200.1 C201.1 J200.1 U200.5
Net-(C216-Pad2): C216.2 U203.3
Net-(C225-Pad1): C225.1 U205.10
Net-(C226-Pad1): C226.1 U204.14
Net-(C232-Pad1): C232.1 U208.10
Net-(C233-Pad1): C233.1 U207.14
Net-(C241-Pad2): C241.2 U210.3
Net-(C242-Pad1): C242.1 C243.1 C246.1 C247.1 D206.1 R257.1 U211.1
Net-(C244-Pad1): C244.1 D207.1 L203.2 U211.12
Net-(C244-Pad2): C244.2 D208.1 U211.11
Net-(D1-Pad4): D1.4 U2.71
Net-(D4-PadA): D4.A Q6.3 U16.5
Net-(D200-Pad1): D200.1 Q200.3
Net-(D200-Pad2): D200.2 R202.2
Net-(D201-Pad1): D201.1 Q201.3
Net-(D201-Pad2): D201.2 R203.2
Net-(D202-Pad1): D202.1 Q202.3
Net-(D202-Pad2): D202.2 R204.2
Net-(D203-Pad1): D203.1 Q203.3
Net-(D203-Pad2): D203.2 R205.2
Net-(D208-Pad2): D208.2 D209.1
Net-(J5-Pad1): J5#2.1 U13.15
Net-(J6-Pad1): J6.1 U13.26
Net-(L1-Pad1): L1.1 U2.91
Net-(L201-Pad1): L201.1 U203.11
Net-(L201-Pad2): L201.2 U203.9
Net-(L202-Pad1): L202.1 U210.11
Net-(L202-Pad2): L202.2 U210.9
Net-(L203-Pad1): L203.1 R256.2 U211.10
Net-(Q1-Pad1): Q1.1 R22.2
Net-(Q1-Pad3): Q1.3 Q22.4 R23.2
Net-(Q2-Pad2): Q2.2 Q2.3 R30.2 R110.2
Net-(Q3-Pad2): Q3.2 R110.1
Net-(Q3-Pad5): Q3.5 R52.1
Net-(Q4-Pad1): Q4.1 R32.1
Net-(Q5-Pad1): Q5.1 R33.1
Net-(Q7-Pad2): Q7.2 R71.1
Net-(Q8-Pad2): Q8.2 R72.1
Net-(Q9-Pad1): Q9.1 R10.1
Net-(Q10-Pad1): Q10.1 R218.1
Net-(Q10-Pad2): Q10.2 Q213.4 R219.2
Net-(Q11-Pad1): Q11.1 R99.1
Net-(Q11-Pad2): Q11.2 R68.1
Net-(Q11-Pad4): Q11.4 R53.1
Net-(Q11-Pad5): Q11.5 R92.1
Net-(Q12-Pad2): Q12.2 Q12.3 R73.2
Net-(Q12-Pad6): Q7.5 Q12.6 R61.2 R71.2
Net-(Q13-Pad2): Q13.2 Q13.3 R74.2
Net-(Q13-Pad6): Q8.5 Q13.6 R62.2 R72.2
Net-(Q15-Pad2): Q15.2 R86.1
Net-(Q15-Pad5): Q15.5 Q18.6 R82.2 R86.2
Net-(Q16-Pad2): Q16.2 R87.1
Net-(Q16-Pad5): Q16.5 Q19.6 R83.2 R87.2
Net-(Q18-Pad2): Q18.2 Q18.3 R93.2
Net-(Q19-Pad2): Q19.2 Q19.3 R94.2
Net-(Q20-Pad4): Q4.3 Q20.4 R37.1
Net-(Q21-Pad4): Q5.3 Q21.4 R38.1
Net-(Q51-Pad1): Q51.1 R57.1
Net-(Q51-Pad2): Q9.3 Q51.2 R11.1 R58.1
Net-(Q52-Pad1): Q52.1 R102.1
Net-(Q52-Pad3): Q52.3 Q54.3 R103.1 R113.1
Net-(Q53-Pad1): Q53.1 R105.1
Net-(Q54-Pad1): Q54.1 R106.1
Net-(Q200-Pad1): Q200.1 R206.1
Net-(Q201-Pad1): Q201.1 R207.1
Net-(Q202-Pad1): Q202.1 R208.1
Net-(Q203-Pad1): Q203.1 R209.1
Net-(Q205-Pad1): Q205.1 R213.1
Net-(Q205-Pad3): Q205.3
Net-(Q207-Pad4): Q53.2 Q207.4 R216.2
Net-(Q208-Pad4): Q208.4 R58.2
Net-(Q211-Pad4): Q211.4 R111.2
Net-(Q211-Pad5): Q211.5 Q211.6 Q211.7 Q211.8 Q212.1 Q212.2 Q212.3
Net-(Q212-Pad4): Q212.4 R112.2
Net-(Q212-Pad5): Q212.5 Q212.6 Q212.7 Q212.8 Q220.1 Q220.2 Q220.3
Net-(Q215-Pad1): Q215.1 R226.1
Net-(Q220-Pad4): Q220.4 R113.2
Net-(Q222-Pad1): Q222.1 R253.1
Net-(R13-Pad1): R13.1 R14.2 U5.2
Net-(R15-Pad1): R15.1 U5.6
Net-(R18-Pad2): R18.2 U3.3
Net-(R24-Pad1): R24.1 U14.8
Net-(R26-Pad2): R26.2 U4.3
Net-(R36-Pad2): R36.2 U17.8
Net-(R42-Pad2): R42.2 U1.7
Net-(R79-Pad2): R79.2 U6.10
Net-(R80-Pad2): R80.2 U6.11
Net-(R81-Pad2): R81.2 U6.14
Net-(R88-Pad2): R88.2 U6.13
Net-(R89-Pad2): R89.2 U6.15
Net-(R90-Pad2): R90.2 U7.3
Net-(R91-Pad1): R91.1 U7.4
Net-(R100-Pad1): R91.2 R100.1 U7.1
Net-(R224-Pad2): R224.2 R227.1 U203.5
Net-(R225-Pad2): R225.2 U203.2
Net-(R229-Pad2): R229.2 U201.4
Net-(R234-Pad2): R234.2 U201.8
Net-(R239-Pad2): R239.2 U201.11
Net-(R240-Pad2): R240.2 U201.3
Net-(R251-Pad2): R251.2 R254.1 U210.5
Net-(R252-Pad2): R252.2 U210.2
Net-(R257-Pad2): R257.2 R259.1 U211.2
Net-(R258-Pad2): R258.2 R262.1 U211.7
Net-(U1-Pad1): U1.1 U1.8

Pads without a net: J1 1 8 DT SW; J52 S1 S2; J200 4; R17 1 2; U1 5; U2 49 60 61 82 83; U3 9 10; U4 8 9 10; U14 1 2 3 4 5 6 7 9 14 15 16 17 18 19; U17 3 6 9 10; U23 3 7 8 15; U204 7; U205 3 5 6 7 8 12 14 15; U206 1 3 4 5 6 8 10 11; U207 7; U208 3 5 6 7 8 12 14 15; U209 1 3 4 5 6 8 10 11; U211 5

## Via types
v1: diameter 0.584, hole 0.381, Top to Bottom, 424 vias
v2: diameter 0.6, hole 0.4, Top to Bottom, 41 vias
v3: diameter 0.508, hole 0.254, Top to Bottom, 199 vias

## Routing (per net, layer and track width the routed paths; a pad name or vN(x,y) marks a point on that pad's centre or on a via; arc(x,y) is an arc through that point)
3.3V: length 99.3
  Top w0.203: v1(27,80.94) 26.94,80.88 U201.14 ; U2.8 46.97,40.65 ; v1(41.67,58.65) 42.15,58.17 U2.51
  Top w0.254: 49.31,54.55 v1(49.2,54.44) U2.39 ; U205.2 26.24,66.97 ; U206.7 30.19,66.1 30.16,66.08 ; 19.39,67.23 19.39,67.87 18.76,67.87 ; 19.39,70.51 19.39,69.87 19.38,69.89 17.99,69.89 ; 24.59,59.22 25.2,59.22 25.21,59.21 U208.13 25.22,60.24 ; P1.58 42.28,94.1 ; 19.39,68.37 19,68.37 18.99,68.36 ; U208.2 26.24,56.68 ; U205.13 24.6,69.62 ; U205.13 25.22,70.77 ; U205.13 25.22,69.76 25.22,69.76 ; U207.16 20.15,60.48 ; U205.4 27.24,67.11 ; C229.1 30.16,57.3 U209.7 ; 46.97,40.65 47.77,39.85 ; 30.16,57.29 30.19,57.31 29.54,57.31 ; 27.24,56.69 U208.4 27.24,57.18 27.26,57.16 ; C227.1 19.38,59.47 19.39,59.46 19.39,60.23 ; U2.77 v1(34.86,47.17) ; v1(53.83,45.85) 53.81,45.85 U2.25 ; U204.16 20.15,70.64 ; 38.82,39.59 38.82,40.52 U2.92 40.08,41.78 40.09,41.78 ; U2.63 37.9,53.36 ; 18.76,57.46 19.39,57.46 19.39,57.96 ; v1(52.43,51.31) 51.57,50.45 U2.30 ; 48.37,42.11 v1(49.23,41.25)
  Top w0.272: 60.98,73.04 61.29,72.72 v1(61.29,72.17)
  Top w0.305: 60.98,73.04 60.42,72.48 U5.1
  Top w0.508: P1.63 v1(44.68,94.02) ; C17.2 53.04,63.28 v1(53.1,63.35) ; C17.2 52.68,63.28 ; C17.2 52.73,63.28 ; v3(4.65,93.13) 4.65,92.1 D1.1 ; C18.2 53.19,60.74 ; v1(68.69,59.25) 68.69,58.36 ; 65.99,59.22 65.99,58.33
  Top w1.27: 25.79,3.09 24.44,3.09 ; U23.5 23.28,8.04
  Top w1.651: 24.44,3.09 23.28,3.09 23.28,8.04
  In2.Cu w0.203: v1(61.29,72.17) 55.07,72.17 53.1,70.21 v1(53.1,63.35)
  Bottom w0.254: v1(66.52,61.08) 66.5,61.05 66.5,61
  Bottom w0.272: 69.1,58.84 68.6,59.35 ; 65.99,59.22 65.84,59.07 65.84,58.27 ; 69.65,58.71 69.1,58.71
  Bottom w0.508: v1(34.86,47.17) 34.85,47.18 C252.1 ; 69.23,58.71 v1(68.69,59.25) ; v3(4.65,93.13) 4.66,93.12 C5.1 ; v1(53.83,45.85) 53.8,45.88 C11.1 ; 52.44,51.32 v1(52.43,51.31) 51.75,51.31 C218.1 ; 65.8,59.03 65.99,59.22 ; C219.1 49.21,54.44 v1(49.2,54.44) ; v1(66.52,61.08) 65.99,60.54 65.99,59.09 ; v1(41.67,58.65) C234.1 ; R83.1 69.23,58.59 ; 40.09,41.78 40.1,41.77 43.64,41.77 ; v1(35.83,54.78) 35.91,54.78 C251.1 ; v1(27,80.94) C217.1 ; P1.63 v1(44.68,94.02) ; v1(49.23,41.25) C10.1 50.89,40.56 51.07,40.74 50.81,41 49.74,41 49.48,41.25 v1(49.23,41.25)
  Bottom w0.61: 37.16,13.7 v1(37.16,12.1) ; 35.89,13.7 v1(35.89,12.1) ; 34.62,13.7 v1(34.62,12.1) ; 31.57,14.03 31.57,14.99 v1(31.59,15.01) ; J1.4 16.35,46.5 v1(16.33,46.52) ; 63.36,44.3 62.4,44.3 v1(62.38,44.29)
  vias: v1(25.28,1.39) v1(26.3,1.39) v1(40.08,41.78) v1(65.99,59.35)
